# Allegro board IMX7D EVK BOARD REV D_160314.brd (continued)
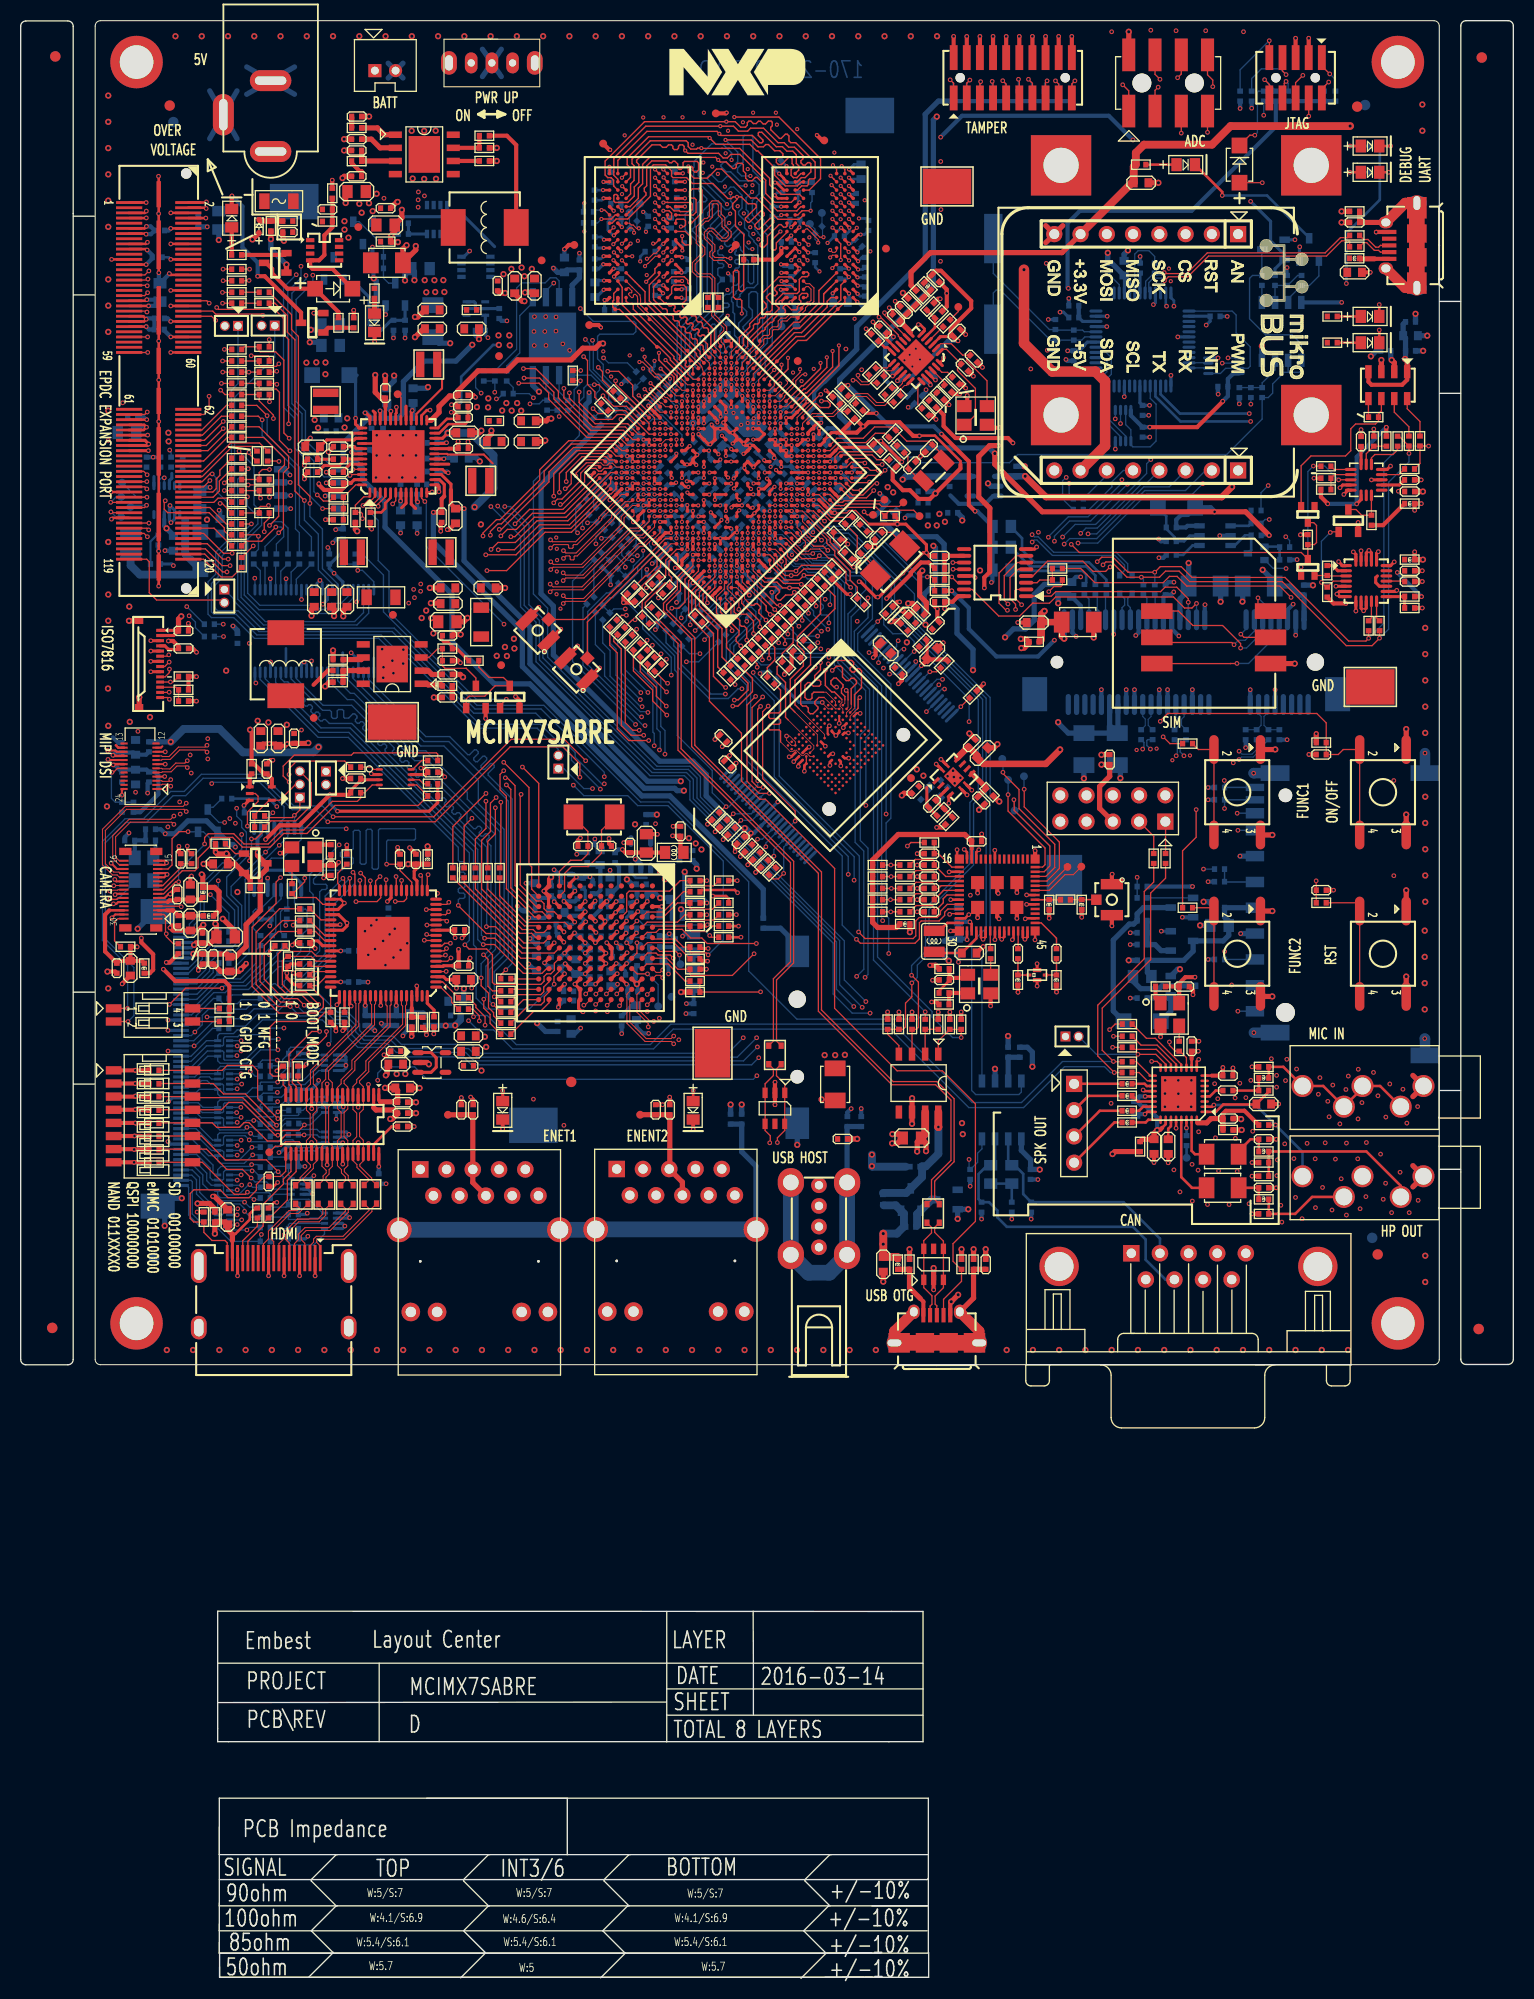
[diagram p0: board, top side]
## Nets (continued)
TXD_P0_2: R525.2 U31.M4(TXD_P0_2)
TXD_P0_3: R530.2 U31.L4(TXD_P0_3)
UART1_RXD: U7.L3(UART1_RXD) U17.6(1Y)
UART1_TXD: U7.L4(UART1_TXD) U17.5(2A)
UART2_RXD: U7.L5(UART2_RXD) U19.6(1Y)
UART2_TXD: U7.L6(UART2_TXD) U19.5(2A)
UART6_CTS_B: TP54.1(PIN1) U7.H5(ECSPI1_SS0) U16.55(BT_UART_CTS_N)
UART6_RTS_B: TP57.1(PIN1) U7.H4(ECSPI1_MISO) U16.58(BT_UART_RTS_N)
UART6_RXD: TP56.1(PIN1) U7.H3(ECSPI1_SCLK) U16.57(BT_UART_TXD)
UART6_TXD: TP55.1(PIN1) U7.G5(ECSPI1_MOSI) U16.56(BT_UART_RXD)
USB_DN: R160.2 U18.8(USBDN)
USB_DP: R158.2 R159.1 U18.7(USBDP)
USB_HOST_N: J26.2(USBHMB) L40.4 U27.1(I/O11) U27.6(I/O12)
USB_HOST_P: J26.3(USBHPB) L40.3 U27.3(I/O21) U27.4(I/O22)
USB_HOST_VBUS: C299.1 C300.2 J26.1(VCC) R69.2 R569.1 U30.5(OUTB)
USB_OTG1_DN: L41.4 U7.A8(USB_OTG1_DN)
USB_OTG1_DP: L41.3 U7.B8(USB_OTG1_DP)
USB_OTG1_ID: J25.4(P4) TVS6.2(A2) U7.B7(USB_OTG1_ID)
USB_OTG1_OC: R255.1 R620.2 U30.2(FLGA)
USB_OTG1_PWR: R253.2 R256.1 U7.P1(GPIO1_IO05) U30.1(ENA)
USB_OTG2_DN: L40.1 R566.2
USB_OTG2_DP: L40.2 R565.2
USB_OTG2_ID: R68.1 U7.B11(USB_OTG2_ID)
USB_OTG2_OC: R257.1 U7.P2(GPIO1_IO06) U30.3(FLGB)
USB_OTG2_PWR: R252.2 R254.1 U7.P3(GPIO1_IO07) U30.4(ENB)
USB_OTG_N: J25.2(P2) L41.1 U28.1(I/O11) U28.6(I/O12)
USB_OTG_P: J25.3(P3) L41.2 U28.3(I/O21) U28.4(I/O22)
USB_OTG_PWR: J25.1(P1) L39.1 TVS5.2(A2)
USB_OTG_VBUS: Q24.3(DRAIN) R65.2 R569.2 R571.2 U30.8(OUTA)
USB_PCIE_DN: L10.4 R559.2
USB_PCIE_DP: L10.3 R558.2
USB_SUSPEND1_B: U17.1(1OE) U17.7(2OE) U18.13(ACBUS1)
USB_SUSPEND2_B: U18.29(BCBUS1) U19.1(1OE) U19.7(2OE)
USR_BT0: R309.2 U7.G3(S\D\2\_\R\E\S\E\T\)
USR_BT1: R310.2 U7.C3(SD2_WP)
VCOREDIG: C59.1 R28.1 U4.43(VCOREDIG)
VHALF: C24.2 C28.1 U4.23(VHALF)
VLDO1_1V8: C23.1 R32.1 U4.14(VLDO1)
VLDO2_1V5: C25.1 R119.1 U4.15(VLDO2)
VLDO3_3V3: C26.1 C98.1 C99.1 R168.1 R169.1 R170.1 R171.2 R295.1 R296.1 R387.1 R561.1 U4.20(VLDO3) U7.P8(NVCC_GPIO1) U7.T8(NVCC_GPIO2)
VLDO4_2V8: C27.1 L50.1 L51.1 L63.1 U4.22(VLDO4)
VMIDC: C273.1 U24.27(VMID)
VREGD: C247.1 U20.16(VREGD)
VSNVS: C31.1 D16.2(C) R31.1 R249.1 R279.1 R280.1 R348.1 U4.34(VSNVS) U37.6(VCC)
WIFI_ANT: J10.1(CENTER) L55.2 R560.2
WL_HOST_WAKE: U7.J5(ECSPI2_SCLK) U16.25(WL_HOST_WAKE)
WL_REG_ON: U7.G6(ECSPI2_MOSI) U16.27(WL_REG_ON)
WLIO_1V8: C238.1 L15.2 R152.1 R153.1 R154.1 R155.1 R156.1 U16.14(VIO)
XTALI: C105.1 R38.1 U7.V1(XTALI) Y2.1
XTALO: R38.2 R284.1 U7.V2(XTALO)
XTC_XO: C106.1 R284.2 Y2.2
N17013528: C116.1 U7.N17(PVCC_EPDC_LCD_CAP)
N17107788: R558.1 R565.1 U7.B10(USB_OTG2_DP)
N17107790: R559.1 R566.1 U7.A10(USB_OTG2_DN)
N17107813: R66.1 U7.A7(USB_OTG1_REXT)
N17107833: R70.1 U7.A11(USB_OTG2_REXT)
N17107853: C121.1 R65.1 R67.1 U7.C8(USB_OTG1_VBUS)
N17107881: C123.1 R69.1 R71.1 U7.C10(USB_OTG2_VBUS)
N17108564: R80.1 U7.AA13(PCIE_REXT)
N17108838: R76.1 U7.AD4(TEMPSENSOR_RESERVE)
N17113683: C94.1 R31.2 U7.AD8(VDD_SNVS_IN)
N17137994: J3.1(VCC) R19.1
N17161985: R140.1 U13.72(CI2CA)
N17161996: R141.1 U13.36(SPDIF)
N17164532: TP25.1(PIN1) U15.23(CE_REMOTE_OUT)
N17164630: R143.2 U15.16(CE_REMOTE_IN)
N17203956: C242.1 J11.6(SHLD1) J11.7(SHLD3) J11.8(SHLD2) J11.9(SHLD4) J11.10(SHLD5) J11.11 R163.2
N17204531: C361.1 R157.2 U18.46(AVCC)
N17204910: R159.2 U18.5(RSTOUT_B)
N17210344: D26.2(C) J12.10(NRET) R168.2 R172.1
N17220511: C250.1 U21.8(CRST)
N17220654: R303.1 U21.9(INT2)
N17222079: C253.1 U22.2(CAP)
N17222335: R302.1 U22.5(INT2)
N17330920: C403.1 FL1.4(IN) L17.2
N17330972: C402.2 FL1.2(OUT) L16.2
N17348502: D4.1(A) Q7.1(GATE) R104.2
N17360734: D4.2(C) Q8.3(COLLECTOR) R107.1
N17361500: Q8.1(BASE) R108.2
N17361882: C194.2 Q6.1(GATE) R105.2 R107.2
N17363350: Q7.3(DRAIN) R103.1
N17384111: C283.1 R245.2 R246.2
N17408783: R111.1 TP13.1(PIN1) U7.N5(GPIO1_IO03)
N17409524: R309.1 S1.2 S1.4
N17409596: R310.1 S3.2 S3.4
N17410810: R481.1 U7.M2(UART3_TXD)
N17410858: R482.1 U7.M5(UART3_RTS)
N17410875: R484.1 U7.M6(UART3_CTS)
N17411327: C302.1 J25.6(SHLD1) J25.7(SHLD3) J25.8(SHLD2) J25.9(SHLD4) J25.10(SHLD5) J25.11 R251.2
N17418164: C301.1 J26.5(BODY1) J26.6(BODY2) J26.7(BODY3) J26.8(BODY4) R250.2
N17462630: R347.1 S4.2 S4.4
N17474021: C321.1 C322.1 L44.1 L45.1
N17479207: R265.2 U31.B9(INTRPT)
N17479738: R495.2 U31.B6(MDC)
N17482527: C328.1 C329.1 L46.1 U31.K3(AVDDH_CLK)
N17483065: C335.1 C336.1 L48.1 U31.D10(BIASVDD)
N17488691: C347.1 C348.1 J27.5(TCT) J27.6(RCT) TP30.1(PIN1)
N17503223: TP33.1(PIN1) U31.C9(REC_CLK2)
N17503237: TP32.1(PIN1) U31.A7(LOCK_REC_CLK2)
N17503285: TP35.1(PIN1) U31.D7(REC_CLK1)
N17503292: TP36.1(PIN1) U31.C8(SYNC_IN)
N17503299: TP37.1(PIN1) U31.B8(SYNC_IO)
N17503340: R261.1 U31.B7(TEST)
N17503361: R262.1 U31.D8(TVCOI)
N17504364: C351.1 C352.1 J28.5(TCT) J28.6(RCT) TP31.1(PIN1)
N17512759: R486.1 U7.D15(ENET1_RX_CLK)
N17512845: R487.1 U7.E19(ENET1_CRS)
N17512848: R483.1 U7.D19(ENET1_COL)
N17551623: TP6.1(PIN1) U7.V4(GPANAIO)
N17562718: TP8.1(PIN1) U7.Y1(CCM_CLK1_N)
N17562733: TP7.1(PIN1) U7.Y2(CCM_CLK1_P)
N17562753: R641.2 TP9.1(PIN1) U7.W3(CCM_CLK2)
N17562933: R485.1 U7.D16(ENET1_TX_CLK)
N17647934: C276.2 TP29.1(PIN1)
N17839972: TP39.1(PIN1) U4.30(LDOG)
N17840667: R283.1 U4.5(ICTEST)
N17952331: R296.2 SW3.4(B1)
N17952336: R295.2 SW3.3(B2)
N17955454: TP48.1(PIN1) U7.C7(U\S\B\_\O\T\G\1\_\C\H\D\)
N17979833: R301.2 U20.2(INT2/PWR_CTRL)
N18270966: J13.33 R180.2
N18270969: J13.37 R181.2
N18382477: C19.1 R16.2
N18383449: C17.1 R12.2
N18456395: R330.1 R331.1 U20.13(SA0/MISO)
N18479011: R339.2 U12.6(R/B1_B)
N18479943: R340.1 U12.34(DNU/VCCQ#34)
N18480102: R341.1 U12.25(DNU/VSSQ#25)
N18508862: C356.2 D16.1(A) R348.2 U37.5(SENSE)
N18509253: D15.3(NODE3) R279.2 U37.3(M\R\)
N18509499: C383.1 U37.4(CT)
N18509987: R321.1 R350.1 U37.1(R\S\T\)
N18510629: C382.2 D15.1(NODE1) R349.2
N18528065: C384.1 R352.1 R353.1 U38.10(M\R\)
N18531511: R361.1 R362.1 U21.7(SA0/MISO)
N18531925: R363.1 R364.1 U21.10(SA1/CS_B)
N18533198: J15.4 L26.2 TVS2.2(A2)
N18533201: J15.2 L25.2 R367.1 TVS3.2(A2)
N18671772: Q16.3(DRAIN) R386.2 U21.16(RST)
N18733724: R472.2 X2.1(OE)
N18734643: R476.1 X2.3(OUT)
N18736058: R477.2 X3.1(OE)
N18736102: R478.1 X3.3(OUT)
N18736807: R479.1 U12.39(DNU/VCCQ#39)
N18737059: R480.1 U12.48(DNU/VSSQ#48)
N18798455: TP26.1(PIN1) U16.53(BT_DEV_WAKE)
N18798457: TP27.1(PIN1) U16.54(BT_HOST_WAKE)
N18801381: R148.2 R493.1 X1.1(OE)
N18808323: J13.95 TP50.1(PIN1)
N18808326: J13.97 TP51.1(PIN1)
N18808329: J13.99 TP52.1(PIN1)
N18808332: J13.101 TP53.1(PIN1)
N19059740: R551.1 R553.2 R555.1 U40.6(-INB)
N19059874: R554.1 U40.5(+INB)
N19077408: Q22.1(GATE) R555.2 U40.7(OUTB)
N19077626: D23.2(CATHODE) Q22.3(DRAIN)
N19077631: D23.1(ANODE) R556.2
N19223289: C416.1 C417.1 L53.1 L54.1
N19273853: J12.7(KEY) R567.2
N19273926: J12.9(GND#9) R568.2
N19317159: Q24.1(GATE) Q25.3(DRAIN) R570.2
N19711996: R548.2 U39.1(OE)
N19885771: Q29.1(GATE) Q30.3(DRAIN) R584.2
N19933856: R602.2 U42.12(O\E\0\)
N19933868: R603.2 U42.19(O\E\1\)
N19947680: R597.1 U42.13(DIF0)
N19947771: R601.1 U42.4(SADR/REF1.8)
N19947907: C426.1 C429.1 C430.1 L57.2 U42.11(VDD1.8_1) U42.20(VDD1.8_2)
N19949408: C428.1 C432.1 C433.1 L58.1 U42.3(VDDXTAL) U42.16(VDDA3.3)
N19950556: C434.1 U42.1(X1_25) Y3.1
N19950564: C435.1 U42.2(X2) Y3.3
N19999209: R598.1 U42.14(D\I\F\0\)
N20024618: R632.2 U42.17(DIF1)
N20024706: R601.2 TP67.1(PIN1)
N20056770: R604.2 U42.23(SS_EN_TRI)
N20073057: C427.1 C431.1 L58.2 R365.2 R368.2 U42.7(VDDDIG3.3)
N20074375: R369.2 R370.2 U42.5(VDDREF1.8)
N20112502: Q32.4(G) R613.2 R614.1
N20194241: R633.2 U42.18(D\I\F\1\)
N20356165: R176.1 U7.E20(LCD1_CLK)
N21040777: C444.1 C445.1 J29.3(AF_VDD2.8V) L63.2
N21040955: C354.1 C407.1 J29.5(AVDD_2.8V) L50.2
N21042521: C446.1 C447.1 J29.28(DOVDD_1.8V) L64.2 R622.2 R630.1
N21042545: J29.30(ID) R622.1
N21042852: C448.1 L68.2 R623.2 X4.4(VCC)
N21042858: R623.1 X4.1(OE)
N21066058: C449.1 C450.1 J30.16(VCC_2V8) L51.2
N21067245: C355.1 C451.1 J30.18(IOVCC_1V8) L65.2 R631.1
N21079430: C452.1 C453.1 L66.2 R628.2 U43.1(PVIN) U43.4(VIN)
N21089701: L67.1 U43.12(LIN)
N21089723: D25.1(A) L67.2 U43.6(SW1) U43.7(SW2)
N21114148: R624.1 R625.2 U43.11(OVP)
N21201870: R628.1 U43.2(EN/RE/SET) U43.3(SEL)
N21457603: Q35.2(B1) Q35.5(B2) Q35.6(C1) R615.2
N21457781: Q34.4(G) Q35.3(C2) R616.1
N21736604: J8.23(PERN0) R124.2
N21822744: R640.1 U45.6(CE)
N21830226: R642.2 U31.J4(VREG_SENSE)
N21831023: R494.2 R643.2 U31.J3(VREG_AVDD)
N21832184: R494.1 U31.H4(VREG_CNTL)
N21917857: C457.1 J30.19(RESET) R631.2

Pads without a net: D24 1; J8 1 3 5 7 17 19 45 47 49 51; J9 13 14; J11 4; J13 3 9 10 14 15 16 20 21 22 26 27 28 32 34 35 38 50 51 52 55 56 57 58 61 62 66 68 79 80 81 83 84 87 104 106 111 112 113 115 117; J15 3; J19 1 3 4 8 9; J20 4 6 7 9 10; J29 1 10 27 31 32 33 34; J30 20 21 22 23; MG1 1; MG2 1; MG3 1; MG4 1; NOREF 1; NOREF#2 1; NOREF#3 1; NOREF#4 1; NOREF#5 1; NOREF#6 1; NOREF#7 1; NOREF#8 1; NOREF#9 1; NOREF#10 1; NOREF#11 1; NOREF#13 1; NOREF#16 1; NOREF#17 1; NOREF#18 1; NOREF#19 1; NOREF#20 1; NOREF#21 1; NOREF#24 1; NOREF#26 1; SW1 3 4 5; U2 8; U3 8; U10 A1 A2 A7 A8 A9 A10 A11 A12 A13 A14 B1 B7 B8 B9 B10 B11 B12 B13 B14 C1 C3 C5 C7 C8 C9 C10 C11 C12 C13 C14 D1 D2 D3 D4 D12 D13 D14 E1 E2 E3 E5 E8 E9 E10 E12 E13 E14 F1 F2 F3 F10 F12 F13 F14 G1 G2 G3 G10 G12 G13 G14 H1 H2 H3 H12 H13 H14 J1 J2 J3 J12 J13 J14 K1 K2 K3 K6 K7 K10 K12 K13 K14 L1 L2 L3 L12 L13 L14 M1 M2 M3 M7 M8 M9 M10 M11 M12 M13 M14 N1 N3 N6 N7 N8 N9 N10 N11 N12 N13 N14 P1 P2 P7 P8 P9 P10 P11 P12 P13 P14; U12 1 2 3 4 5 11 20 21 22 23 24 26 27 28 33 38 40 45 46 47; U13 71; U14 4; U16 2 3 4 5 6 7 8 10 11 12 40 48 49; U18 1 10 15 16 17 19 20 21 22 26 30 32 33 35 36 37 38 41 48; U21 15; U23 8; U24 3 5 6 7; U27 5; U28 5; U31 A1 A2 B1 B2 C1 C2 D1 D2 E1 E2 F1 F2 G1 G2 H1 H2 H7 H8 H9 J8 J10 J11 J12; U33 4; U35 2 6 7; U36 11 12 35 36; U38 9; U43 5; U44 4

## Via types
v1: diameter 0.457, hole 0.254, TOP to BOTTOM, 1586 vias
v2: diameter 0.61, hole 0.305, TOP to BOTTOM, 410 vias
v3: diameter 0.406, hole 0.203, TOP to BOTTOM, 624 vias

## Routing (per net, layer and track width the routed paths; a pad name or vN(x,y) marks a point on that pad's centre or on a via; arc(x,y) is an arc through that point)
3V3OUT: length 1.9
  BOTTOM w0.305: C240.1 108.25,164.93 U18.6
5VIN: length 4.4
  TOP w0.406: R4.1 25.53,166.7 Q17.2
AVDDL_CLK_ENET: length 8.7
  TOP w0.406: v1(55.59,102.25) 55.18,102.66 U31.G4
  BOTTOM w0.406: L47.2 55.02,107.69 C330.1 56.07,107.67 56.07,105.23 55.75,104.91 ; 55.75,104.91 56.12,104.54 56.12,103.45 55.37,102.7 C331.1 55.24,102.6 v1(55.59,102.25) ; 55.75,104.91 C392.1
AVDDL_ENET: length 2.4
  TOP w0.305: 55.1,96.66 v1(54.6,96.16) ; 56.11,96.66 v1(55.6,96.16)
  BOTTOM w0.406: v1(54.6,96.16) v1(55.6,96.16)
GND: length 1601.7
  TOP w0.076: 74.65,119.88 74.37,120.16 v1(74.08,120.16) 74.08,119.75 74.33,119.51 74.58,119.25 U10.N2
  TOP w0.081: 74.65,119.88 74.93,119.61 U10.N2
  TOP w0.127: 82.08,140.66 80.76,141.98 80.15,141.98 79.91,141.74 v1(78.73,141.74) ; U10.N5 U10.P6
  TOP w0.203: J29.11 13.89,106.5 v1(14.16,106.77) 14.03,106.9 J29.12 ; v1(14.46,104.87) 14.29,104.87 13.92,104.5 J29.6 ; v1(78.22,121.15) 78.05,120.99 78.05,120.37 U10.G5 ; v1(9.79,114.45) 9.79,114.93 9.9,115.04 J30.24 ; v1(9.13,104.82) 9.21,104.9 J29.24 ; J29.15 13.9,108.1 v1(14.11,107.89) 13.92,107.7 J29.14 ; U10.C4 79.17,122.08 79.17,121.39 v1(79.17,121.39) ; v1(8.44,117.9) 8.5,117.84 J30.17 ; v1(13.93,116.25) 13.92,116.24 J30.4 ; v1(13.98,118.64) 13.98,118.64 J30.10 ; J30.15 9.28,118.64 9.16,118.76 v1(8.42,118.76) ; v1(13.98,117.44) 13.98,117.44 J30.7 ; J29.29 9.14,102.9 v1(8.83,102.58) ; J30.1 13.95,115.04 v1(13.96,115.03) ; v1(81.19,122.35) 81.17,122.37 80.88,122.37 U10.A6 ; v1(8.98,103.93) 9.26,103.93 9.43,104.1 J29.26 ; J29.21 9.24,106.1 9.1,106.24 v1(9.1,106.29) ; J29.18 9.31,107.3 v1(8.75,107.87)
  TOP w0.254: U16.15 91.53,108.92 v1(91.26,109.19) ; v3(56.32,172.97) 56.32,172.97 U9.P9 ; J13.18 v1(14.52,167.76) ; U7.C18 v3(59.72,143) 59.72,143 U7.C19 ; U9.T1 63.56,174.57 64.02,174.57 v3(64.04,174.59) ; U7.L7 70.66,141.41 v3(70.96,141.71) 71.38,142.13 U7.N7 ; v3(70.85,148.83) 70.85,148.83 U7.W13 U7.Y13 U7.Y14 70.87,149.89 v3(70.85,149.91) ; U8.P1 v3(80.12,173.37) ; U7.T14 68.87,147.77 v3(68.73,147.92) ; v3(67.67,139.28) 67.68,139.29 U7.G7 68.49,139.29 69.05,139.85 69.27,139.85 ; v3(67.67,139.28) 67.67,138.76 U7.F7 ; v3(67.67,139.28) 67.67,139.29 U7.F8 ; U7.N13 68.2,145.38 v3(68.42,145.17) ; U9.G9 v3(56.39,167.37) ; U7.P10 70.32,144.36 v3(70.64,144.06) ; v1(88.48,154.6) 88.45,154.58 88.44,154.58 U42.21 ; U8.B3 v3(78.54,162.99) ; v3(64.25,172.97) U9.P1 ; U7.U20 67.37,150.72 67.37,150.49 v3(67.38,150.49) ; 90.89,146.42 90.89,146.75 88.43,149.22 86.96,149.22 v1(86.93,149.19) ; U7.K14 v3(66.6,144.59) ; v3(70.32,154.68) 70.32,154.67 U7.AC19 ; v3(72.91,144.27) 72.89,144.27 72.45,143.82 U7.R7 ; U7.W9 73.57,146.65 v3(73.57,146.19) ; U8.J2 v3(79.36,169.33) ; v1(97.29,104.79) 97.3,104.78 U16.52 ; U7.W23 v3(66.08,154.67) ; v3(81,165.29) 80.52,165.77 U8.E1 ; v3(80.95,162.94) 80.52,163.37 U8.B1 ; J13.48 v1(14.52,160.26) ; v3(63.42,147.47) 63.42,147.23 U7.J19 ; U10.J5 v1(77.83,119.18) ; U8.D8 v3(75.33,165.38) 74.94,165.77 U8.E8 ; J13.42 v1(14.52,161.76) ; v1(108.74,83.59) 108.96,83.81 U24.24 ; v3(62.97,167) 62.99,167 U9.G1 ; v3(76.11,152.52) 76.11,152.5 U7.AE12 U7.AD12 74.05,150.95 v3(74.03,150.94) 74.04,150.94 U7.AC12 ; v1(36.34,151.97) 36.34,151.4 36.28,151.34 U4.31 ; U8.P9 73.82,172.97 73.09,173.7 v3(72.96,173.7) ; v1(13.35,134.66) 13.35,134.84 13.35,134.85 J13.SH8 13.35,138.04 v1(13.35,138.04) 13.35,138.55 13.35,138.56 J13.SH7 J13.SH6 v1(13.35,150.58) J13.SH5 v1(13.35,154.6) J13.SH4 v1(13.35,158.37) J13.SH3 ; v1(31.31,104) 30.93,104.38 U13.37 ; v3(68.72,144.59) 68.71,144.59 U7.M12 ; U7.G4 69.79,137.16 v3(69.79,137.16) ; v3(63.93,163.37) 63.47,163.37 U9.B1 ; v3(62.13,162.99) 61.76,163.37 U9.B3 ; U4.26 38.78,151.17 39.28,151.68 v1(39.6,151.68) ; U7.AB9 75.22,148.3 75.63,148.7 U7.AC9 76.16,148.83 v3(76.16,148.83) ; v3(80.1,165.37) 79.72,165.76 U8.E2 ; U7.K22 v3(61.31,148.83) ; U7.AC6 77.75,147.24 v3(77.75,147.24) ; v3(77.75,146.18) 77.75,146.18 U7.AB5 ; v3(73.52,163.34) 73.55,163.37 U8.B9 ; v1(14.38,164.9) 14.51,164.76 J13.30 ; 97.38,100.74 97.38,100.74 97.38,100.74 ; 97.38,100.74 97.38,100.74 ; 97.38,100.74 U16.44 ; J13.103 8.91,141.26 v1(8.78,141.14) ; U7.U23 v3(65.02,153.6) ; U7.R20 65.55,150.94 v3(65.55,150.94) ; U10.K8 78.36,118.44 v1(78.55,118.44) ; U8.D1 80.52,164.95 v3(80.93,164.53) ; U7.G17 63.3,144.59 v3(63.39,144.68) ; v3(67.49,147.42) U7.P16 ; U8.A9 73.94,162.57 v3(73.5,162.13) ; U9.J2 v3(62.16,169.37) ; v1(75.8,116.76) 75.8,117.31 75.98,117.49 U10.P6 ; J13.23 v1(8.8,166.26) ; v1(95.92,100.46) 96.03,100.57 U16.41 ; v3(75.63,147.24) 75.63,147.24 U7.AA8 ; v3(73.57,167.37) 74.03,167.37 74.03,167.37 U8.G9 ; U7.Y19 68.73,152 68.72,151.99 68.72,151.99 v3(68.72,151.99) ; U7.M16 v3(66.08,146.19) ; v3(71.39,151.43) 71.38,151.43 U7.AA15 ; U7.AE5 79.13,148.09 v3(79.23,148.09) ; v3(76.69,146.18) 76.69,146.18 76.16,146.18 ; U7.F13 64.49,142.49 v3(64.48,142.5) ; U24.20 108.68,85.81 v1(108.56,85.93) ; v3(60.78,141.94) 60.78,141.94 U7.C16 ; U7.R21 65.02,150.95 65.02,151.47 v3(65.02,151.47) ; U7.F11 v3(66.07,140.88) ; J13.36 v1(14.52,163.26) ; U7.R13 68.72,146.71 v3(68.72,146.71) 68.2,146.71 U7.P14 ; J13.12 v1(14.52,169.26) ; U7.W20 U7.W19 68.2,151.49 v3(68.21,151.48) ; U16.39 95.13,100.74 95.13,100.74 v1(94.89,100.5) 94.68,100.71 U16.38 ; v3(64.25,171.37) U9.M1 ; U16.43 96.93,100.71 v1(97.14,100.5) 97.38,100.74 ; v1(97.17,102.48) 97.22,102.53 U16.47 ; v1(13.36,164.98) 13.35,164.99 J13.SH2 13.35,170.68 v1(13.34,170.69) 13.35,170.7 J13.SH1 13.35,174.28 v1(13.33,174.3) ; U7.G19 v3(61.31,145.65) ; U9.J8 v3(57.38,168.59) ; U7.N15 67.48,146.71 v3(67.67,146.91) ; U9.E1 63.9,165.23 63.9,165.01 v3(63.92,164.99) 63.93,164.98 63.44,164.98 63.43,164.97 U9.D1 ; U9.E2 62.97,166.18 v3(62.97,166.19) ; U7.D4 68.2,135.57 v3(68.2,135.57) ; U42.10 85.95,157.07 85.97,157.07 v3(85.99,157.04) ; v1(8.72,143.76) 8.72,143.76 J13.93 ; U9.G8 v3(58.08,167.05) ; U16.50 97.3,103.88 v1(97.29,103.88) ; U9.M9 v3(57.36,170.97) ; v3(68.96,145.07) 69.26,145.37 U7.P12 ; U7.L11 U7.K12 v3(67.14,143.01) ; U8.F9 U8.G8 v3(75.31,166.98) ; v1(92.67,109.16) 92.43,108.92 U16.13 ; U8.G1 v3(80.93,166.95) ; U16.34 92.88,100.71 v1(93.09,100.5) 93.33,100.74 93.33,100.74 U16.35 ; U42.15 84.49,155.03 84.39,155.03 v1(84.34,154.98) ; U7.D22 58.13,145.65 v3(58.13,145.65) ; U7.W11 72.88,147.33 v1(72.88,147.06) ; v3(63.97,143.01) 63.96,143.01 U7.G15 ; U7.R11 70,145.98 v3(70,146.09) ; U16.16 90.57,108.48 v1(90.57,109.16) ; U8.T9 74.08,174.6 v3(74.08,175.28) ; U7.N11 69.26,144.39 v3(68.98,144.1) ; U7.AB7 76.69,147.24 v3(76.69,147.24) ; U7.AC15 v3(72.44,152.54) ; U42.24 89.27,156.63 v1(89.27,156.76) ; J13.6 v1(14.52,170.76) ; U10.H10 79.69,118.02 v1(80.09,118.02) ; U16.24 v1(89.95,104.33) ; v3(73.5,150.41) 73.51,150.41 U7.AB12 ; U7.R23 v3(63.96,152.54) ; U7.M10 69.26,143.22 v3(69.5,142.98) ; U10.E7 79.67,120.47 v1(80.06,120.47) ; v1(113.94,88.88) 113.75,88.7 U24.9 ; U7.AB4 78.28,145.65 v3(78.28,145.65) ; v1(24.85,76.98) 24.47,76.6 C365.1 ; 64.23,147.77 64.65,148.19 64.68,148.19 ; U7.L13 v3(67.14,145.1) ; 65.02,149.35 U7.N19 ; U7.U7 v3(73.51,144.08) ; U7.C13 v3(62.9,139.81) ; U7.G9 67.14,140.36 67.78,140.99 v3(67.78,141.06) ; U7.AC21 v3(69.26,155.73) ; v3(66.08,150.42) 66.08,150.42 U7.T20 ; v3(75.31,169.36) 74.92,168.97 U8.J8 ; U7.R15 68.2,147.25 v3(68.2,147.25) ; U9.T9 56.96,175.2 v3(56.94,175.22) ; U7.V20 67.7,151.45 v3(67.7,151.07) ; U16.45 98.12,100.46 v1(98.1,100.44) ; U7.G22 v3(59.72,147.24) ; U8.M9 74.01,171.37 74.01,171.37 v3(73.55,171.37) ; U9.E8 v3(57.34,166.19) ; v3(76.16,143.53) 76.16,143.53 U7.W4 ; v3(69.28,139.85) 69.27,139.85 ; 69.27,139.85 69.27,139.88 69.26,139.89 U7.J7 ; U7.T4 75.1,142.47 v3(75.1,142.47) ; U7.N4 72.98,140.34 v3(72.98,140.34) ; U7.T16 67.88,149.16 67.87,149.16 v3(67.82,149.21) ; v1(74.77,117.69) 74.77,117.69 U10.P4 ; U7.M14 v3(66.62,145.65) ; U7.T10 71.38,145.11 71.39,145.1 v3(71.39,145.1) ; v3(65.53,142.47) U7.G13 ; U7.K10 68.2,141.93 v3(68.21,141.93) ; v1(89.8,107.02) 89.82,107.02 89.84,107.03 U16.18 ; U4.40 34.1,148.46 34.44,148.79 v1(34.44,149.26) ; v3(76.16,145.65) 76.16,145.65 U7.Y6 U7.W7 ; U7.R19 65.58,149.89 v3(65.57,149.9) ; U7.C15 v3(61.31,141.41) ; J13.54 v1(14.52,158.76) ; v1(111.75,82.23) 111.75,83.05 U24.28 ; U16.9 94.23,109.1 v1(94.22,109.11) ; U7.G11 v3(65.55,141.41) ; U7.AA23 v3(67.14,155.73) ; J13.60 v1(14.52,157.26) ; U7.K16 v3(65.54,145.65) ; U8.M1 v3(80.12,171.77) ; J13.24 v1(14.52,166.26) ; U42.6 87.41,159.37 87.41,159.56 87.01,159.96 v1(86.83,159.96) ; v1(91.71,102.89) 91.35,102.53 U16.28 ; U7.K4 v3(71.38,138.75) ; U7.L15 v3(66.08,145.13) ; U16.37 v1(94.23,100.47) ; U8.T1 v3(80.12,174.97) ; U7.AC23 v3(68.2,156.79)
  TOP w0.305: v1(43.62,95.78) 43.63,95.78 43.63,96.53 C218.2 ; U15.5 v1(32.64,84.25) ; v1(53.75,106.52) 53.74,106.51 53.72,106.51 53.1,105.89 U31.J1 ; U31.L8 50.68,98.24 50.68,98.23 v1(50.67,98.22) ; U31.F4 56.11,102.66 v1(56.53,102.23) 56.53,102.09 U31.F5 ; v3(70,146.09) 70,146.38 U7.T12 70.33,146.71 v3(70.88,146.16) 70.88,146.21 U7.U11 ; v1(39.8,143.77) 39.74,143.71 U4.12 ; v3(56.39,163.32) 56.44,163.37 U9.B9 ; v1(89.78,113.66) 89.78,114.32 89.91,114.45 U35.4 ; v1(29.64,78.68) 29.64,78.68 U15.28 ; v1(55.56,104.21) 55.1,103.75 U31.G3 ; v3(66.61,137.15) 66.61,137.15 U7.D7 ; J18.5 v1(12.59,128.39) ; U7.B3 U7.A3 66.87,133.71 v1(66.87,133.48) ; v1(30.59,94.17) 30.83,94.41 U13.55 ; R75.2 85.14,146.66 85.2,146.66 v1(85.22,146.68) 84.93,146.97 84.93,146.99 83.21,148.7 v1(83.19,148.7) 82.77,148.7 R76.2 82.16,148.09 v3(79.23,148.09) ; v1(81.52,145.69) 81.48,145.65 U7.AE1 ; U15.31 31.14,78.77 v1(31.15,78.76) ; v1(33.91,116.52) 33.99,116.43 U45.2 ; R272.2 v1(66.36,106.18) ; U7.AE5 U7.AD5 77.75,147.24 v3(77.75,147.24) ; v1(54.39,93.49) 54.29,93.49 53.96,93.82 53.96,94.52 U31.H12 U31.H11 54.1,95.66 v1(53.6,96.16) 54.1,96.66 ; v3(56.38,166.57) U9.F9 ; v1(32.65,80.84) 32.64,80.83 U15.34 ; J18.9 v1(12.59,126.39) ; U7.AC17 v3(71.38,153.6) ; v1(63.31,136.42) 63.69,136.42 63.96,136.69 U7.A9 U7.B9 ; U20.10 130.14,132.53 v1(129.89,132.28) 129.64,132.52 U20.9 ; v1(84.01,161.59) 84.33,161.27 C431.2 ; v1(132.86,137.01) 132.5,136.65 U20.19 ; R361.2 v1(130.88,149.86) ; v1(98.31,98.14) 98.31,98.14 FL1.1 ; v1(131.32,137.99) 131.14,137.82 U20.20 ; U15.14 28.14,84.13 v1(28.15,84.12) ; v1(56.99,142.99) 57.06,142.99 U7.A21 U7.B21 ; v1(127.22,134.65) 127.22,134.65 U20.5 ; v3(72.41,136.13) U7.H1 U7.H2 ; v1(31.31,104) 30.69,103.38 U13.39 ; v3(77.43,150.46) 77.08,150.46 76.69,150.08 U7.AE9 76.53,149.89 76.16,149.52 U7.AD9 ; R602.1 v1(81.76,159.56) ; U35.9 v1(89.01,117.91) ; U31.L3 51.05,103.72 51.05,104.61 U31.L2 ; v1(66.42,101.91) 66.29,101.78 R273.2 ; U9.D8 v3(57.39,164.6) ; v1(70.48,133.79) 70.03,134.24 70.03,134.28 U7.D1 U7.D2 ; U20.24 129.14,137.73 v1(128.9,137.98) ; 82.08,140.66 v1(84.8,140.66) ; v1(84.8,140.66) 84.8,141.21 R641.1 ; v1(84.8,140.66) 85.61,140.66 87.6,138.66 87.6,137.89 ; R606.1 77.92,153.59 v3(77.86,153.59) ; v3(64.7,148.21) 64.27,147.77 U7.L19 ; J18.7 v1(12.59,127.39) ; U13.63 v1(34.83,94.1) ; U13.40 30.75,102.88 v1(31.56,102.08) 31.56,101.8 31.14,101.38 U13.43 ; U7.D10 65.02,138.75 ; 65.02,138.75 v3(65.02,138.75) 65.02,138.75 ; 65.02,138.75 U7.C9 ; U15.25 28.13,79.75 v1(28.13,80.84) ; v1(57.6,104.15) 57.59,104.15 U31.E3 ; U31.G6 55.59,100.18 v1(55.59,100.17) 55.61,100.17 U31.F6 ; v3(56.47,162.34) 56.73,162.34 U9.A9 ; U20.1 127.85,136.65 v1(127.47,137.03) ; v1(127.61,144.18) 127.87,144.45 U21.12 ; v1(79.28,143.22) 79.12,143.22 U7.AA1 U7.AA2 ; v1(41.02,116.2) 40.56,116.66 C460.2 ; U7.M24 U7.M25 60.71,152.09 v3(60.71,152.11) ; U7.A1 68.2,132.27 v1(68.23,132.24) ; U38.13 92.16,135.64 v1(92.31,135.49) ; R174.2 79.59,139.16 v1(80.01,138.73) ; v1(59.56,101.12) 59.56,101.12 U31.C6 ; 87.6,137.89 87.29,137.89 v1(85.33,135.93) 82.99,133.6 v1(82.89,133.6) 82.71,133.6 81.22,135.1 v1(81.09,135.1) ; 87.6,137.89 v1(87.62,137.89) ; U13.70 38.33,95.98 v1(38.31,95.99) ; U20.22 130.14,137.86 v1(130.4,138.12) 130.64,137.88 U20.21 ; v1(130.65,144.94) 130.65,144.95 U21.3 ; U31.A3 v1(62.01,103.66) ; U21.13 128.39,143.95 v1(127.98,143.53) ; v1(59.25,140.87) 59.49,140.87 59.72,141.11 U7.A17 U7.B17 ; U31.G8 v1(54.6,98.16) ; U31.G9 v1(54.6,97.16) ; J9.5 v1(26.98,67.95) ; U31.K11 v1(52.61,96.16) ; C250.2 v1(129.64,149.8) ; U31.H6 v1(54.61,100.16) ; FL1.3 98.31,95.98 v1(98.31,95.98) ; U35.12 v1(91.99,114.93) ; U15.8 31.14,84.36 v1(31.2,84.3) ; R276.2 v1(66.36,102.88) ; C427.2 v1(84.58,162.22) ; v1(133.1,134.25) 132.99,134.15 U20.14 ; U35.10 v1(88.55,117.45) ; U7.W2 U7.W1 78.47,141.74 v1(78.73,141.74) ; U7.B6 U7.A6 65.02,135.05 v1(65.02,134.98) ; U31.K12 52.1,94.01 52.02,93.92 v1(52.01,93.92) ; U7.AD2 80.38,145.65 v3(80.39,145.65) ; U20.8 v1(129.14,132.25) ; v1(55.01,145.32) 55.14,145.32 U7.A25 ; U20.6 127.56,134.15 v1(127.31,133.9) 127.55,133.69 127.56,133.65 U20.7 ; v1(26.28,99.94) 26.49,100.16 C216.2 ; U15.36 v1(33.64,80.74) ; J9.8 v1(25.48,67.95) ; v1(26.38,97.25) 26.55,97.08 R138.1 ; R364.2 v1(125.09,145.1) ; v1(55.64,101.16) 55.13,101.66 U31.G5 ; 60.11,96.66 60.08,96.66 v2(59.59,96.17) 59.56,96.2 59.54,96.2 59.54,96.23 59.11,96.66 ; v1(33.64,86.46) 33.64,86.46 U15.3 ; v1(61.27,138.81) 61.36,138.81 U7.A13 U7.B13 62.9,139.82 v3(62.9,139.81) ; v1(42.69,100.63) 42.95,100.88 C213.2 ; U7.AE24 v3(68.73,158.38) U7.AE25 ; v1(21.6,113.45) 22.1,113.95 U39.3 ; U31.J9 53.1,97.7 v1(52.67,98.14) ; v1(82.43,160.22) 82.83,159.82 C429.2 ; J9.17 v1(20.98,67.95) ; U20.23 v1(129.64,138.08) ; v1(31.97,94.04) 31.83,94.19 U13.57 ; U21.5 132.16,145.95 v1(132.49,146.27) ; v1(56.69,100.17) 57.11,99.75 U31.E7 57.18,99.59 57.18,98.74 U31.E8 ; J9.2 v1(28.48,67.95) ; U38.8 98.05,138.24 v1(98.26,138.45) ; 78.93,149.51 78.43,149.51 v1(78.13,149.22) U7.AE7 77.75,148.68 77.37,148.3 U7.AD7 ; C209.2 43.33,98.55 v1(43.47,98.7) ; J18.3 v1(12.59,129.39) ; J9.11 v1(23.98,67.95) ; R277.2 v1(66.36,104.02) ; v3(65.02,149.35) 65.02,149.35 U7.N19 ; U31.C3 v1(59.61,104.16) ; 52.1,96.66 v1(52.61,97.16) ; U15.11 v1(29.64,86.51) ; U35.11 v1(91.53,114.47) ; U31.G7 v1(54.6,99.16)
  TOP w0.381: v1(42.62,85.19) C348.2 ; C352.2 62.78,85.23 v1(62.77,85.24) ; v1(62.09,84.5) 62.09,84.5 C351.2 ; R275.2 66.31,97.6 v1(66.32,97.61) ; C347.2 43.76,85 v1(43.52,85.24) ; R261.2 65.93,98.39 v1(66.44,98.39) ; D12.2 46.62,82.17 v1(46.62,82.16) ; D13.2 v1(65.04,82.11)
  TOP w0.406: C389.2 113.03,95.93 113.39,95.57 v1(113.39,95.14) ; C184.2 67.17,119.83 v1(67.14,119.83) ; C387.2 16.23,131.04 v1(16.22,131.06) ; C349.2 56.91,109.76 v1(56.91,110.25) ; v1(119.1,88.16) 119.75,88.16 TVS4.1 ; v1(43.99,152.93) 43.79,153.13 C29.2 ; v3(68.27,180.46) 68.21,180.39 TP72.1 ; v3(77.02,178.29) 77.53,177.77 TP71.1 ; v1(31.55,109.62) 31.54,109.62 R141.2 ; C7.2 25.82,119.45 v1(25.77,119.4) 25.59,119.22 C9.2 24.69,119.42 v1(24.07,119.42) 23.43,119.42 C8.2 ; Y3.4 91.55,152.36 v1(91.55,153.1) ; TP68.1 69.16,167.59 v3(68.65,167.08) ; C102.2 87.48,147.66 v1(87.03,147.21) 86.56,146.74 C103.2 ; C249.2 v1(135.46,144.94) ; C186.2 88.66,131.38 v1(88.66,132.45) 88.4,132.71 C385.2 ; v1(35.14,89.33) 35.44,89.33 C220.2 ; R370.1 89.57,161.71 v1(89.57,162.99) 89.57,163.35 C432.2 ; TVS2.1 119.75,73.94 v1(119.1,73.94) ; U16.63 94.45,102.65 v1(94.63,102.48) ; v1(69.1,108.98) 69.1,109.57 69.29,109.75 C192.2 ; v1(124.6,118.38) 124.61,118.38 C367.2 ; C461.2 v1(31.13,116.05) ; R68.2 58.3,133.54 v1(58.3,133.06) 59.26,133.06 R70.2 ; v1(94.65,149.98) 93.76,149.98 Y3.2 ; J31.16 v1(99.13,187.83) ; v1(105.55,101.8) 105.55,101.82 105.54,101.83 J10.2 ; J31.10 v1(95.32,187.83) ; C280.2 16.63,128.64 v1(17,128.26) ; v2(8.39,97.38) 9.15,97.38 C446.2 ; v1(16.52,106.62) 16.41,106.51 C354.2 ; v2(90.01,65.45) 89.91,65.35 J25.5 ; v1(27.44,145.03) 27.44,145.38 C59.2 ; C444.2 14.64,101.82 v1(14.44,101.62) 14.7,101.36 C445.2 17.12,101.36 17.59,101.82 ; v1(91.4,153.82) 91.01,154.2 R604.1 ; v1(121.45,76.46) C370.2 ; v1(17.18,97.5) 17.18,97.7 C264.2 ; Q16.2 v1(129.36,140.82) ; Q30.2 48.25,123.59 v1(47.87,123.97) ; R256.2 v1(90.97,93.47) ; v1(32.21,161.35) 32.21,161.35 R8.2 ; J31.2 v1(90.24,187.83) ; C61.2 29.8,147.7 29.8,147.67 29.75,147.62 v1(29.75,147.62) ; v1(88.11,94.44) 88.58,94.44 R493.2 ; v1(82.46,127.76) 82.69,127.98 82.69,128.68 C188.2 ; v1(41.66,152.21) 42.12,152.21 C28.2 ; v1(24.4,117.82) 24.16,117.82 C404.2 ; v1(109.61,78.91) 109.62,78.92 C270.2 ; v1(14.08,98.27) 14.41,98.27 R629.2 ; C247.2 v1(135.57,135.11) ; J31.14 v1(97.86,187.83) ; U16.59 v1(96.35,105.02) ; R282.2 27.44,146.63 v1(27.44,146.35) ; v1(28.35,161.07) 28.36,161.07 Q5.2 ; v1(117.26,88.06) 117.25,88.05 C267.2 ; J31.12 v1(96.59,187.83) ; v1(93.13,125.22) 93.13,125.19 R480.2 ; C447.2 9.84,96.23 9.84,96.21 v1(9.82,96.18) ; C417.2 v1(58.33,109.85) ; v1(30.49,91.64) 30.49,91.96 R135.2 ; C273.2 110.99,78.9 v1(110.98,78.89) ; R324.2 89.16,111.32 v1(88.59,111.32) ; Q29.2 v1(44.97,121.86) ; U16.61 v1(92.55,104.98) ; J10.3 105.54,106.77 v1(105.57,106.8) ; v1(31.15,91.66) 31.32,91.83 R133.2 ; C400.2 v1(86.71,105.42) ; C200.2 96.45,131.14 v1(96.44,131.15) ; v1(54.14,110.31) 53.9,110.06 C350.2 ; L17.1 96.45,95.38 v1(96.46,95.38) ; v1(81.47,150.11) 80.69,150.88 R608.1 79.29,149.51 ; v1(81.47,150.11) 80.87,149.51 79.29,149.51 ; v1(81.47,150.11) 81.6,150.11 82,150.51 85,150.51 86.32,149.19 v1(86.93,149.19) ; C246.2 v1(135.57,136.15) ; v1(87.62,137.89) 87.93,137.58 C384.2 ; v1(93.1,99.8) 93.07,99.8 C235.2 ; R330.2 v1(135.57,132.55) ; C238.2 92.94,110.68 v1(92.95,110.69) ; C26.2 43.28,148.61 v1(43.26,148.63) ; C193.2 89.22,129.19 v1(89.23,129.19) ; v1(100.19,95.4) 100.18,95.4 L16.1 ; X1.2 v1(93.81,94.05) ; C217.2 38.23,108.75 v1(37.61,109.36) ; v1(88.2,96.54) 88.23,96.57 C237.2 ; C268.2 v1(113.96,90.64) ; J12.5 v1(123.31,187.66) ; C388.2 29.55,106.68 v1(29.31,106.44) ; J31.6 v1(92.78,187.83) ; R75.2 84.34,145.86 84.34,144.93 85.33,143.94 86.02,143.94 86.85,143.1 87.95,143.1 v2(88.48,143.63) 90.89,146.04 90.89,146.42 ; v1(110.25,91.06) 110.25,91.06 X3.2 ; v1(29.55,144.65) 30.24,144.65 C405.2 ; v1(39.96,91.34) 39.98,91.37 R140.2 ; C60.2 v1(29.56,145.69) ; v1(68.57,118.28) 68.49,118.2 68.48,118.2 C185.2 ; U31.L2 v1(50.6,105.16) U31.L1 51.1,106.31 v2(51.3,106.51) ; J31.20 v1(101.67,187.83) ; U16.30 v1(89.94,101.31) ; R603.1 88.14,151.19 v1(88.53,150.79) ; v1(17,123.54) 17,123.54 R490.2 ; U28.2 88.3,66.6 v1(88.3,66.59) ; C401.2 v1(86.71,106.57) ; v1(72.96,86.68) 72.95,86.67 U27.2 72.95,84.51 v1(72.96,84.5) ; v1(40.63,139.97) 40.63,140.74 C23.2 ; C62.2 27.52,148.49 v1(28.03,148.99) ; TVS3.1 119.75,77.59 v1(119.1,77.59) ; v1(34.25,158.28) 34.23,158.29 D1.2 ; C187.2 85.24,125.56 v1(84.9,125.22) ; C428.2 91.39,159 v1(91.4,159) ; R254.2 v1(83.85,93.47) ; C106.2 82.64,139.17 v1(82.64,138.45) 81.99,138.45 C105.2 ; J4.2 53.86,128.87 v1(53.86,128.87) ; v1(85.01,133.13) 84.8,133.13 R341.2 ; L55.1 v1(102.63,102.63) ; v1(52.24,130.49) 51.07,129.32 J5.3 ; J11.5 131.12,168.92 v1(131.11,168.9) ; C397.2 v1(86.71,107.69) ; TP74.1 56.95,176.86 v3(57.01,176.86) ; C391.2 v1(86.71,108.78) ; v1(36.46,109.39) 36.46,108.97 C406.1 ; C369.2 v1(121.45,81.16) ; R146.2 v1(17.06,74.12) ; J4.3 55.98,126.75 v1(55.98,126.75) ; R283.2 33.83,140.29 v1(33.95,140.18) ; TP75.1 55.89,159.92 v3(56.12,159.68) ; J31.8 v1(94.05,187.83) ; C368.2 v1(126.98,105.25) ; C239.2 v1(130.53,165.01) ; v1(14.46,104.87) 14.92,105.33 C407.2 ; C25.2 41.44,140.13 v1(41.26,140.13) ; U16.64 v1(96.35,102.52) ; C434.2 v1(92.15,154.97) ; C272.2 v1(121.68,84.57) ; C398.2 v1(86.71,103.16) ; 79.29,149.51 78.93,149.51 ; J31.18 v1(100.4,187.83) ; X2.2 25.9,109.4 25.34,108.83 v1(25.08,108.83) ; TP73.1 53.01,167.66 v1(52.6,167.25) ; L56.1 v1(99.48,102.53) ; U16.1 v1(98.12,109.07) ; C6.2 42.3,127.45 42.33,127.45 v1(42.53,127.25) ; R609.1 v1(89.79,152.2) ; J12.3 v1(124.58,187.66) ; C416.2 61.57,110.67 v1(61.58,110.66) ; U16.60 94.45,105.04 v1(94.55,104.95) ; v1(119.1,78.91) 119.75,78.91 R367.2 ; v3(73.57,167.37) 73.57,166.87 72.94,166.24 R89.2 ; J5.2 v1(50.12,132.62) ; C399.2 v1(86.71,104.33) ; J31.4 v1(91.51,187.83) ; v1(15.3,109.49) 15.3,108.96 C456.2 ; C415.2 v1(63.1,111.43) ; C435.2 v1(93.02,155.82) ; U16.62 v1(92.55,102.58) ; C230.1 v1(38.06,82.39)